# Altium PCB LightLink_V2.1_FINAL_LAYOUT.PcbDoc (part 2 of 3) (continued)
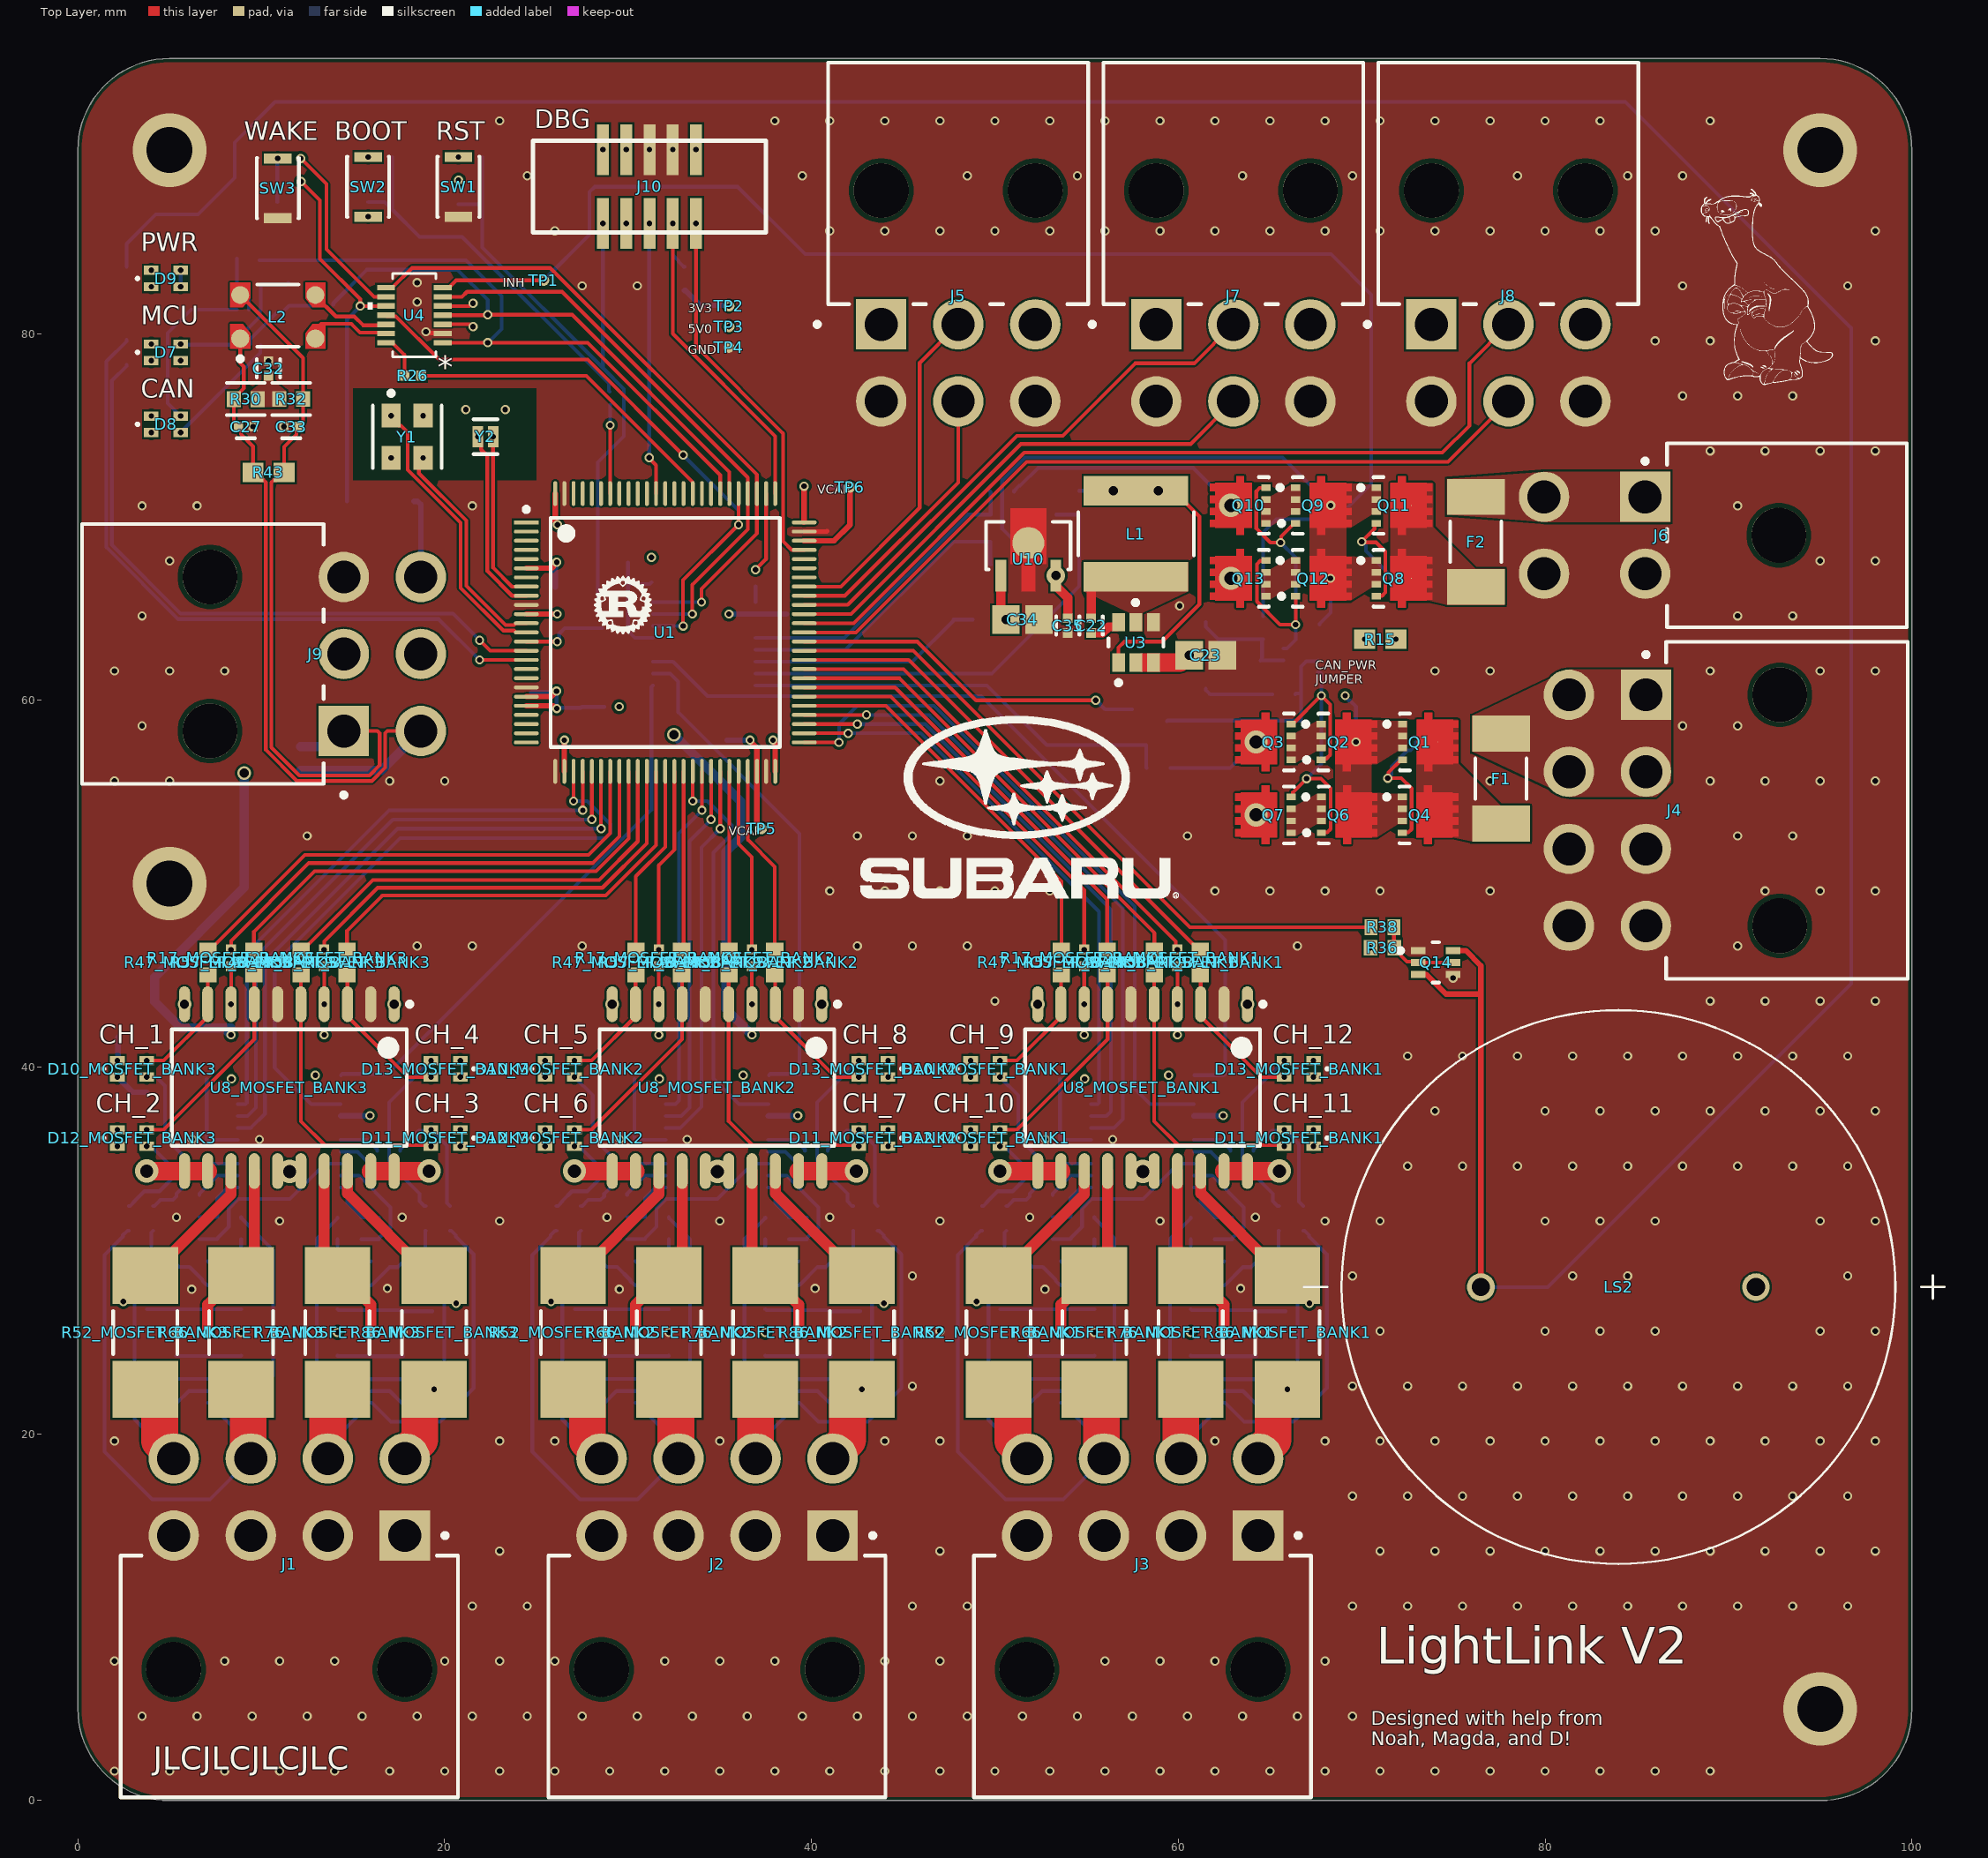
[diagram p0: Top Layer view]
## Nets (pads, with @x,y where several pads share a name; then routed paths per layer and width w, separated by ;. In a path a pad name is that pad's centre, name@x,y a point inside that pad or via, vN(x,y) a via of type N, cw(c..) or ccw(c..) an arc to the next point about the centre after c; other vN are vias at no path point)
3V3: C2.1 C3.2 C4.2 C5.2 C6.2 C10.2 C12.1 C20_MOSFET_BANK1.1 C20_MOSFET_BANK2.1 C20_MOSFET_BANK3.1 C24.1 C25.1 C26.2 C29.2 C39.1 C42.2 D7.2 D7.3 D9.2 D9.3 FB1.1 J10.1 L1.2 Q16.3 Q16.6 R10.1 R23_MOSFET_BANK1.1 R23_MOSFET_BANK2.1 R23_MOSFET_BANK3.1 R27.2 R36.2 R37.2 R41_MOSFET_BANK1.2 R41_MOSFET_BANK2.2 R41_MOSFET_BANK3.2 R45.1 R62.1 R84_MOSFET_BANK1.2 R84_MOSFET_BANK2.2 R84_MOSFET_BANK3.2 R85_MOSFET_BANK1.2 R85_MOSFET_BANK2.2 R85_MOSFET_BANK3.2 R105.2 SW2.2 TP2.1 U1.6 U1.11 U1.27 U1.50 U1.75 U1.100 U2.2 U3.1 U4.5 U9_MOSFET_BANK1.2 U9_MOSFET_BANK2.2 U9_MOSFET_BANK3.2 | length 157.8
  Top Layer w0.2: U4.5@19.888,81.5 21.341,81.5 21.491,81.65 v1(21.545,81.65) ; U3.1@56.742,62.055 56.742,62.867 57.075,63.2 59.125,63.2 61.15,65.225 61.15,70.022 59.743,71.429 v4(58.917,71.429)
  Top Layer w0.3: U1.11@24.45,64.7 v1@25.9,64.7 ; U1.6@24.45,67.2 25.83,67.2 26.106,67.476 v1(26.106,67.525) ; U1.100@26.025,71.275 26.025,69.754 26.15,69.629 v1(26.15,69.575) ; U1.27@26.525,56.125 v1(26.525,57.825) ; v1(37.9,57.825) 37.9,57.771 38.025,57.646 U1.50@38.025,56.125 ; U1.75@39.6,69.7 v1(39.6,71.675)
  GND w0.3: v1(62.45,37.35) 62.45,38.475 v1(70.475,46.5)
  GND w0.5: v1(8.35,41.75) 8.375,41.725 v1(8.375,39.35) 12.75,39.35 v1(12.95,39.55) ; v1(13.43,41.75) 12.95,41.27 v1(12.95,39.55) ; v1(15.925,37.35) 13.725,39.55 v1(12.95,39.55) ; v1(31.675,41.75) 31.675,39.375 v1(31.7,39.35) 36.075,39.35 v1(36.275,39.55) ; v1(36.755,41.75) 36.275,41.27 v1(36.275,39.55) ; v1(54.875,41.75) 54.875,39.375 v1(54.9,39.35) ; v1(59.955,41.75) 59.475,41.27 v1(59.475,39.55) ; v1(62.45,37.35) 60.25,39.55 v1(59.475,39.55) ; v1(36.275,39.55) 37.05,39.55 v1(39.25,37.35) 52.9,37.35 v1(54.9,39.35) ; v1(54.9,39.35) 59.275,39.35 v1(59.475,39.55)
  Bottom Layer w0.2: v1(5.6,79.425) 5.637,79.387 8.638,79.387 Q16.3@8.675,79.35 8.725,79.4 8.725,79.725 9.925,80.925 9.925,81.25 Q16.6@9.975,81.3 R37.2@9.975,82.675 11.375,82.675 R27.2@11.475,82.775 ; v1(5.6,82.55) v1(5.6,83.45) ; U9_MOSFET_BANK3.2@14.325,37.325 U9_MOSFET_BANK3.2@14.335,37.335 ; C20_MOSFET_BANK3.1@15.91,37.335 v1(15.925,37.35) ; R105.2@54.6,71.425 54.604,71.429 v4(56.467,71.429)
  Bottom Layer w0.3: U9_MOSFET_BANK3.2@14.335,37.335 C20_MOSFET_BANK3.1@15.91,37.335 ; C2.1@25.175,64.7 v1(26.135,64.7) ; C39.1@26.027,66.175 26.027,67.396 26.106,67.475 v1(26.106,67.525) ; R10.1@33.075,82.35 33.125,82.35 33.937,81.538 35.462,81.538 v1(35.5,81.5) ; v1(35.5,64.7) U2.2@36.95,64.7 C12.1@38.65,64.7 ; U9_MOSFET_BANK2.2@37.65,37.325 37.66,37.335 39.235,37.335 v1(39.25,37.35) ; v1(39.6,71.675) C5.2@39.625,71.65 ; U9_MOSFET_BANK1.2@60.85,37.325 60.86,37.335 62.435,37.335 v1(62.45,37.35)
  Bottom Layer w0.5: R84_MOSFET_BANK3.2@8.138,41.962 v1(8.35,41.75) ; R84_MOSFET_BANK3.2@8.35,42.125 5.619,42.125 4.175,43.569 4.175,44.9 9.075,49.8 v3(9.075,56.025) ; v3(32.5,58.125) 36.125,54.5 36.125,52.525 35.325,51.725 35.325,43.18 v1(36.755,41.75)
  other v1: 29.51,59.65 31.275,67.79 5.6,78.525 15.825,86.375 20.75,88.37 33.705,90.03
5V: C28.2 C34.2 R50.2 TP3.1 U4.3 U10.1 | length 67.5
  Top Layer w0.2: U4.3@19.888,80.5 21.366,80.5 21.491,80.375 v1(21.545,80.375)
  Top Layer w0.5: U10.1@50.325,66.8 50.325,64.675 v4(50.6,64.4)
  PWR w0.5: v1(21.545,80.375) 39.125,80.375 41.097,78.403 41.097,75.269 43.291,73.074 60.638,73.074 61.317,72.396 61.317,64.991 60.726,64.4 v4(50.6,64.4)
  other v1: 35.5,80.375
12V_IN: F2.1 J6.1 J6.3
12V_INH: Q15.2 R63.1 U1.62 | length 19.4
  Top Layer w0.2: U1.62@39.6,63.2 45.775,63.2 48.975,60 v1(55.5,60)
  Bottom Layer w0.2: v1(55.5,60) 55.55,60 55.775,59.775 55.775,59.725 56,59.5 Q15.2@57.475,59.5
12V_MOSFET: Q5.3 Q9.4 Q10.4 Q12.4 Q13.4 R5.2 | length 19
  Top Layer w0.2: Q13.4@64.775,67.625 64.75,67.6 64.462,67.6 64.286,67.424 64.286,65.389 65.55,64.125 v1(66.4,64.125) ; Q10.4@64.775,71.6 64.75,71.575 64.432,71.575 64.257,71.399 64.257,69.368 65.025,68.6 v1(65.575,68.6) 65.613,68.638 65.613,68.938 66.325,69.65 Q9.4@66.4,69.65 ; v1(66.4,64.125) Q12.4@66.4,65.675
  Bottom Layer w0.2: v1(65.575,68.6) 66.4,67.775 v1(66.4,64.125) 66.4,63.3 65.925,62.825 Q5.3@65.725,62.825
12V_SENSE: R9.2 R14.2 U2.4 | length 16.9
  Bottom Layer w0.2: U2.4@36.95,63.4 41.8,63.4 48.525,70.125 R14.2@49.775,70.125 49.775,71.35 R9.2@49.75,71.375
+12: J5.1 J5.3 J7.1 J7.3 J8.1 J8.3 Q10.5-6-7-8 Q13.5-6-7-8 R9.1 | length 13.2
  Bottom Layer w0.2: R9.1@51.05,71.375 51.05,71.425 51.325,71.7 51.375,71.7 52.35,72.675 60.815,72.675 v2(62.865,70.625)
  other v2: 62.865,66.65
ADC_MISO_MOSFET_BANK1: U1.53 U9_MOSFET_BANK1.15 | length 33.1
  Top Layer w0.2: U1.53@39.6,58.7 v1(42.5,58.7)
  Bottom Layer w0.2: v1(42.5,58.7) 46.2,58.7 56.325,48.575 56.325,37.575 56.075,37.325 U9_MOSFET_BANK1.15@55.25,37.325
ADC_MISO_MOSFET_BANK2: U1.43 U9_MOSFET_BANK2.15 | length 20.3
  Top Layer w0.2: v1(34.525,53.5) U1.43@34.525,56.125
  Bottom Layer w0.2: U9_MOSFET_BANK2.15@32.05,37.325 32.9,37.325 33.35,37.775 33.35,52.325 v1(34.525,53.5)
ADC_MISO_MOSFET_BANK3: U1.30 U9_MOSFET_BANK3.15 | length 33.5
  Top Layer w0.2: v1(28.025,53.5) U1.30@28.025,56.125
  Bottom Layer w0.2: U9_MOSFET_BANK3.15@8.725,37.325 9.25,37.325 9.7,37.775 9.7,46.025 17.175,53.5 v1(28.025,53.5)
ADC_MOSI_MOSFET_BANK1: U1.54 U9_MOSFET_BANK1.14 | length 35.2
  Top Layer w0.2: U1.54@39.6,59.2 v1(43,59.2)
  Bottom Layer w0.2: v1(43,59.2) 46.425,59.2 56.975,48.65 56.975,37.15 56.5,36.675 U9_MOSFET_BANK1.14@55.25,36.675
ADC_MOSI_MOSFET_BANK2: U1.44 U9_MOSFET_BANK2.14 | length 21.2
  Top Layer w0.2: v1(35.025,53) U1.44@35.025,56.125
  Bottom Layer w0.2: U9_MOSFET_BANK2.14@32.05,36.675 32.85,36.675 34,37.825 34,51.975 v1(35.025,53)
ADC_MOSI_MOSFET_BANK3: U1.31 U9_MOSFET_BANK3.14 | length 34.6
  Top Layer w0.2: v1(28.525,53) U1.31@28.525,56.125
  Bottom Layer w0.2: U9_MOSFET_BANK3.14@8.725,36.675 9.425,36.675 10.2,37.45 10.2,45.775 17.425,53 v1(28.525,53)
ADC_nCS_MOSFET_BANK1: U1.51 U9_MOSFET_BANK1.1 | length 37.5
  Top Layer w0.2: U1.51@39.6,57.7 v1(41.5,57.7)
  Bottom Layer w0.2: v1(41.5,57.7) 41.5,58.7 42.5,59.7 46.675,59.7 57.625,48.75 57.625,38.825 58.475,37.975 U9_MOSFET_BANK1.1@60.85,37.975
ADC_nCS_MOSFET_BANK2: U1.41 U9_MOSFET_BANK2.1 | length 22.1
  Top Layer w0.2: v1(33.525,54.5) U1.41@33.525,56.125
  Bottom Layer w0.2: v1(33.525,54.5) 34.325,54.5 35.65,53.175 35.65,52.7 34.65,51.7 34.65,39.375 36.05,37.975 U9_MOSFET_BANK2.1@37.65,37.975
ADC_nCS_MOSFET_BANK3: U1.28 U9_MOSFET_BANK3.1 | length 36
  Top Layer w0.2: v1(27.025,54.5) U1.28@27.025,56.125
  Bottom Layer w0.2: U9_MOSFET_BANK3.1@14.325,37.975 12.725,37.975 10.725,39.975 10.725,45.625 17.575,52.475 28.75,52.475 29.05,52.775 29.05,53.225 27.775,54.5 v1(27.025,54.5)
ADC_SCLK_MOSFET_BANK1: U1.52 U9_MOSFET_BANK1.16 | length 31
  Top Layer w0.2: U1.52@39.6,58.2 v1(42,58.2)
  Bottom Layer w0.2: v1(42,58.2) 45.95,58.2 55.675,48.475 55.675,38.044 55.606,37.975 U9_MOSFET_BANK1.16@55.25,37.975
ADC_SCLK_MOSFET_BANK2: U1.42 U9_MOSFET_BANK2.16 | length 19.3
  Top Layer w0.2: v1(34.025,54) U1.42@34.025,56.125
  Bottom Layer w0.2: U9_MOSFET_BANK2.16@32.05,37.975 32.583,37.975 32.775,38.167 32.775,52.75 v1(34.025,54)
ADC_SCLK_MOSFET_BANK3: U1.29 U9_MOSFET_BANK3.16 | length 32.4
  Top Layer w0.2: v1(27.525,54) U1.29@27.525,56.125
  Bottom Layer w0.2: U9_MOSFET_BANK3.16@8.725,37.975 9.14,37.975 9.209,38.044 9.209,46.234 16.975,54 v1(27.525,54)
ADDR_1: J5.2 U1.68 | length 19
  Top Layer w0.2: U1.68@39.6,66.2 41.6,66.2 45.9,70.5 45.9,78.4 J5.2@48,80.5
ADDR_2: J5.5 U1.67 | length 15.4
  Top Layer w0.2: U1.67@39.6,65.7 41.825,65.7 48,71.875 J5.5@48,76.3
ADDR_3: J7.2 U1.66 | length 29.7
  Top Layer w0.2: U1.66@39.6,65.2 41.975,65.2 51.2,74.425 53.7,74.425 57.65,78.375 60.875,78.375 J7.2@63,80.5
ADDR_4: J7.5 U1.65 | length 28.2
  Top Layer w0.2: U1.65@39.6,64.7 42.15,64.7 51.425,73.975 60.675,73.975 J7.5@63,76.3
ADDR_5: J8.2 U1.64 | length 47.1
  Top Layer w0.2: U1.64@39.6,64.2 42.3,64.2 51.6,73.5 74.4,73.5 75.875,74.975 75.875,78.375 J8.2@78,80.5
ADDR_6: J8.5 U1.63 | length 43.6
  Top Layer w0.2: U1.63@39.6,63.7 42.425,63.7 51.725,73 74.7,73 J8.5@78,76.3
BOOT: C26.1 R19.1 R20.2 R25.2 | length 20.6
  Bottom Layer w0.2: C26.1@15.825,87.175 16.725,87.175 17.125,86.775 ; R20.2@17.125,88.325 R19.1@17.125,89.625 ; R20.2@17.125,88.375 17.125,86.775 ; R25.2@29,76.825 28.942,76.883 28.942,77.283 20.95,85.275 18.625,85.275 17.125,86.775
BUZZ: R38.1 U1.61 | length 37.1
  Top Layer w0.2: U1.61@39.6,62.7 45.55,62.7 60.625,47.625 R38.1@70.5,47.625
BUZZ_NEG: LS2.N Q14.3 Q14.6 R40.1 | length 190.8
  Top Layer w0.3: Q14.3@73.086,45.05 73.525,45.05 74.6,43.975 76.5,43.975 ; Q14.6@74.986,46.35 75.675,46.35 76.5,45.525 76.5,43.975 ; LS2.N@76.5,28 76.5,43.975
  Bottom Layer w0.2: R40.1@2.65,83.65 2.65,84.9 4.25,86.5 6.55,86.5 8.55,88.5 8.55,90.425 10.75,92.625 84.375,92.625 96.7,80.3 96.7,44.55 80.15,28 LS2.N@76.5,28
CAN1_RX: R96.1 U1.81 U4.4 | length 31.1
  Top Layer w0.2: U4.4@19.888,81 19.89,81.003 22.328,81.003 v1(22.35,81.025) 26.95,81.025 35.525,72.45 U1.81@35.525,71.275
  Bottom Layer w0.2: R96.1@13.925,81.575 13.925,81.65 15.75,83.475 20.7,83.475 22.35,81.825 v1(22.35,81.025)
CAN1_TX: R102.1 U1.82 U4.1 | length 36
  Top Layer w0.2: U4.1@19.888,79.5 v1(22.35,79.5) 27.8,79.5 35.025,72.275 U1.82@35.025,71.275
  Bottom Layer w0.2: R102.1@9.9,84 21.15,84 23.1,82.05 23.1,80.25 v1(22.35,79.5)
CAN_INH: R2.1 TP1.1 U4.7 | length 78.6
  Top Layer w0.2: U4.7@19.888,82.501 20.224,82.501 20.277,82.553 20.277,82.559 20.618,82.9 v1(25.4,82.9)
  Bottom Layer w0.2: v1(25.4,82.9) 27.9,85.4 27.9,87.725 28.175,88 35.975,88 39.65,84.325 68.325,84.325 70.525,82.125 70.525,71.8 68.6,69.875 65.35,69.875 64.625,69.15 R2.1@64.625,64.575
CAN_N: C33.1 D4.1 J9.1 L2.4 R32.1 R43.1 | length 40.1
  Top Layer w0.2: L2.4@8.85,82.1 12.281,78.669 R32.1@12.281,76.429 12.281,75.176 11.918,74.813 11.918,74.493 11.25,73.825 R43.1@11.25,72.425 10.825,72 10.668,72 10.551,71.883 10.551,57.424 12.075,55.9 15.9,55.9 16.449,56.449 16.449,58.208 16.332,58.325 J9.1@14.5,58.325
  Bottom Layer w0.5: D4.1@12.15,57.475 13.65,57.475 J9.1@14.5,58.325
CAN_nCS: R26.2 U4.14 | length 2.4
  Top Layer w0.2: U4.14@16.802,79.5 17.138,79.5 17.191,79.447 17.806,78.832 R26.2@17.806,77.7
CAN_P: C27.2 D4.2 J9.4 L2.1 R30.2 R43.2 | length 42.4
  Top Layer w0.2: L2.1@8.85,79.725 8.85,78.384 9.046,78.187 9.046,77.023 8.502,76.478 R30.2@8.502,76.425 8.502,75.176 8.886,74.792 8.886,74.514 9.55,73.85 R43.2@9.55,72.425 9.975,72 10.132,72 10.249,71.883 10.249,57.299 11.95,55.598 16.025,55.598 16.751,56.324 16.751,58.208 16.868,58.325 J9.4@18.7,58.325
  Bottom Layer w0.5: D4.2@12.15,56.175 16.55,56.175 J9.4@18.7,58.325
CAN_PWR: D6.2 J9.6 R15.1 | length 66.5
  PWR w0.5: J9.6@18.7,66.725 20.8,64.625 20.8,60.325 25.85,55.275 43.65,55.275 51.702,63.327 v1(70.163,63.327)
  Bottom Layer w0.3: D6.2@18.325,70.85 18.527,70.85 18.7,70.677 J9.6@18.7,66.725
DIAG_ADC_nCS: R28.1 U2.1 | length 0.9
  Bottom Layer w0.2: U2.1@36.95,65.35 R28.1@36.95,66.225
G_LED: R34.1 U1.15 | length 35.1
  Top Layer w0.2: v1(21.9,63.275) 22.475,62.7 U1.15@24.45,62.7
  Bottom Layer w0.2: R34.1@2.65,78.3 2.65,78.225 1.85,77.425 1.85,68.475 5.6,64.725 20.45,64.725 v1(21.9,63.275)
GND: C1.2 C2.2 C3.1 C4.1 C5.1 C6.1 C7.2 C8.1 C9.1 C10.1 C11.1 C12.2 C13.2 C14.1 C15.1 C16_MOSFET_BANK1.2 C16_MOSFET_BANK2.2 C16_MOSFET_BANK3.2 C17.2 C18.2 C19.2 C20_MOSFET_BANK1.2 C20_MOSFET_BANK2.2 C20_MOSFET_BANK3.2 C21_MOSFET_BANK1.2 C21_MOSFET_BANK2.2 C21_MOSFET_BANK3.2 C23.1 C24.2 C25.2 C27.1 C28.1 C29.1 C30.1 C31.1 C32.2 C33.2 C34.1 C35.1 C36.1 C37.1 C38.1 C39.2 C40.2 C41.2 C42.1 D4.3 J1.1 J1.2 J1.3 J1.4 J2.1 J2.2 J2.3 J2.4 J3.1 J3.2 J3.3 J3.4 J4.3 J4.4 J4.7 J4.8 J5.4 J5.6 J6.2 J6.4 J7.4 J7.6 J8.4 J8.6 J9.3 J10.3 J10.5 Q5.1 Q5.4 Q14.1 Q14.4 Q15.1 R3.2 R4.2 R7.2 R12.2 R13.1 R14.1 R16.1 R18_MOSFET_BANK1.1 R18_MOSFET_BANK2.1 R18_MOSFET_BANK3.1 R20.1 R22_MOSFET_BANK1.1 R22_MOSFET_BANK2.1 R22_MOSFET_BANK3.1 R33.1 R35.1 R44.2 R46_MOSFET_BANK1.1 R46_MOSFET_BANK2.1 R46_MOSFET_BANK3.1 R51.2 R59_MOSFET_BANK1.1 R59_MOSFET_BANK2.1 R59_MOSFET_BANK3.1 R60_MOSFET_BANK1.1 R60_MOSFET_BANK2.1 R60_MOSFET_BANK3.1 R61.1 R63.2 R65_MOSFET_BANK1.1 R65_MOSFET_BANK2.1 R65_MOSFET_BANK3.1 R71_MOSFET_BANK1.1 R71_MOSFET_BANK2.1 R71_MOSFET_BANK3.1 R72_MOSFET_BANK1.1 R72_MOSFET_BANK2.1 R72_MOSFET_BANK3.1 R73_MOSFET_BANK1.1 R73_MOSFET_BANK2.1 R73_MOSFET_BANK3.1 R75_MOSFET_BANK1.1 R75_MOSFET_BANK2.1 R75_MOSFET_BANK3.1 R81_MOSFET_BANK1.1 R81_MOSFET_BANK2.1 R81_MOSFET_BANK3.1 R82_MOSFET_BANK1.1 R82_MOSFET_BANK2.1 R82_MOSFET_BANK3.1 R91_MOSFET_BANK1.1 R91_MOSFET_BANK2.1 R91_MOSFET_BANK3.1 R92_MOSFET_BANK1.1 R92_MOSFET_BANK2.1 R92_MOSFET_BANK3.1 R93_MOSFET_BANK1.2 R93_MOSFET_BANK2.2 R93_MOSFET_BANK3.2 R94_MOSFET_BANK1.2 R94_MOSFET_BANK2.2 R94_MOSFET_BANK3.2 R95_MOSFET_BANK1.1 R95_MOSFET_BANK2.1 R95_MOSFET_BANK3.1 R99_MOSFET_BANK1.2 R99_MOSFET_BANK2.2 R99_MOSFET_BANK3.2 R100_MOSFET_BANK1.2 R100_MOSFET_BANK2.2 R100_MOSFET_BANK3.2 R106.1 SW1.2 SW3.1 TP4.1 U1.10 U1.19 U1.26 U1.49 U1.74 U1.99 U2.3 U2.12 U3.4 U4.2 U7_MOSFET_BANK1.11 U7_MOSFET_BANK2.11 U7_MOSFET_BANK3.11 U8_MOSFET_BANK1.2 U8_MOSFET_BANK1.6 U8_MOSFET_BANK2.2 U8_MOSFET_BANK2.6 U8_MOSFET_BANK3.2 U8_MOSFET_BANK3.6 U9_MOSFET_BANK1.3 U9_MOSFET_BANK1.12 U9_MOSFET_BANK2.3 U9_MOSFET_BANK2.12 U9_MOSFET_BANK3.3 U9_MOSFET_BANK3.12 U10.2 Y1.2 Y1.4 | length 13.2
  Top Layer w0.254: v1(18.975,80.1) 19.042,80.1 19.116,80.025 19.862,80.025 U4.2@19.888,80 ; U1.74@39.6,69.2 40.825,69.2 40.85,69.225
  GND w0.5: 14,73 14.217,73.217 v1(17.075,73.217) ; 18.781,77.7 18.825,77.656 v1(18.825,75.517) ; 21,78 21.15,77.85 v1(21.15,75.85) ; v1(23.3,75.85) 23.3,78.3 24,79
  other v1: 2,1.6 5,1.6 8,1.6 11,1.6 14,1.6 17,1.6 20,1.6 23,1.6 26,1.6 29,1.6 32,1.6 35,1.6 38,1.6 41,1.6 44,1.6 47,1.6 50,1.6 53,1.6 56,1.6 59,1.6 62,1.6 65,1.6 68,1.6 71,1.6 74,1.6 77,1.6 80,1.6 83,1.6 86,1.6 89,1.6 3.5,4.6 6.5,4.6 9.5,4.6 12.5,4.6 15.5,4.6 18.5,4.6 21.5,4.6 24.5,4.6 27.5,4.6 30.5,4.6 33.5,4.6 36.5,4.6 39.5,4.6 42.5,4.6 45.5,4.6 48.5,4.6 51.5,4.6 54.5,4.6 57.5,4.6 60.5,4.6 63.5,4.6 66.5,4.6 69.5,4.6 2,7.6 8,7.6 11,7.6 14,7.6 20,7.6 23,7.6 26,7.6 32,7.6 35,7.6 38,7.6 44,7.6 47,7.6 56,7.6 59,7.6 62,7.6 68,7.6 21.5,10.6 24.5,10.6 45.5,10.6 48.5,10.6 69.5,10.6 72.5,10.6 75.5,10.6 78.5,10.6 81.5,10.6 84.5,10.6 87.5,10.6 90.5,10.6 93.5,10.6 96.5,10.6 23,13.6 47,13.6 71,13.6 74,13.6 77,13.6 80,13.6 83,13.6 86,13.6 89,13.6 92,13.6 95,13.6 98,13.6 69.5,16.6 72.5,16.6 75.5,16.6 78.5,16.6 81.5,16.6 84.5,16.6 87.5,16.6 90.5,16.6 93.5,16.6 96.5,16.6 2,19.6 23,19.6 26,19.6 35,19.6 44,19.6 47,19.6 62,19.6 68,19.6 71,19.6 74,19.6 77,19.6 80,19.6 83,19.6 86,19.6 89,19.6 92,19.6 95,19.6 98,19.6 45.5,22.6 69.5,22.6 72.5,22.6 75.5,22.6 78.5,22.6 81.5,22.6 84.5,22.6 87.5,22.6 90.5,22.6 93.5,22.6 96.5,22.6 5.35,25.536 8.9,25.525 17.725,25.525 28.675,25.536 32.225,25.525 41.05,25.525 51.875,25.536 55.425,25.525 64.25,25.525 23,25.6 47,25.6 71,25.6 80,25.6 83,25.6 86,25.6 95,25.6 98,25.6 6.2,27.875 29.525,27.875 52.725,27.875 16.875,27.925 40.2,27.925 63.4,27.925 45.5,28.6 69.5,28.6 81.5,28.6 84.5,28.6 96.5,28.6 11,31.6 23,31.6 35,31.6 47,31.6 59,31.6 68,31.6 71,31.6 80,31.6 83,31.6 86,31.6 95,31.6 98,31.6 5.375,31.81 17.675,31.8 28.85,31.81 41,31.8 51.9,31.81 64.2,31.8 72.5,34.6 75.5,34.6 78.5,34.6 81.5,34.6 84.5,34.6 87.5,34.6 90.5,34.6 93.5,34.6 96.5,34.6 6.225,36.05 9.9,36.05 29.55,36.05 33.225,36.05 52.75,36.05 56.425,36.05 74,37.6 80,37.6 83,37.6 86,37.6 89,37.6 92,37.6 95,37.6 98,37.6 72.5,40.6 75.5,40.6 78.5,40.6 81.5,40.6 84.5,40.6 87.5,40.6 90.5,40.6 93.5,40.6 96.5,40.6 50,43.6 89,43.6 92,43.6 95,43.6 98,43.6 74.986,44.85 18.5,46.6 21.5,46.6 27.5,46.6 42.5,46.6 45.5,46.6 48.5,46.6 66.5,46.6 90.5,46.6 41,49.6 44,49.6 47,49.6 50,49.6 53,49.6 62,49.6 65,49.6 68,49.6 71,49.6 77,49.6 92,49.6 95,49.6 98,49.6 12.5,52.6 42.5,52.6 45.5,52.6 48.5,52.6 60.5,52.6 90.5,52.6 93.5,52.6 2,55.6 5,55.6 17,55.6 20,55.6 47,55.6 77,55.6 89,55.6 92,55.6 95,55.6 98,55.6 3.5,58.6 87.5,58.6 90.5,58.6 2,61.6 5,61.6 8,61.6 74,61.6 77,61.6 89,61.6 95,61.6 98,61.6 3.5,64.6 90.5,64.6 93.5,64.6 60.075,65.15 5,67.6 95,67.6 98,67.6 3.5,70.6 6.5,70.6 21.5,70.6 90.5,70.6 89,73.6 92,73.6 95,73.6 98,73.6 9.553,74.925 11.23,74.925 87.5,76.6 90.5,76.6 93.5,76.6 10.39,78.5 86,79.6 89,79.6 98,79.6 18.5,81.725 27.5,82.6 30.5,82.6 87.5,82.6 96.5,82.6 18.5,82.775 26,85.6 41,85.6 44,85.6 47,85.6 50,85.6 53,85.6 56,85.6 59,85.6 62,85.6 65,85.6 68,85.6 71,85.6 74,85.6 77,85.6 80,85.6 83,85.6 86,85.6 98,85.6 24.5,88.6 39.5,88.6 48.5,88.6 54.5,88.6 63.5,88.6 69.5,88.6 78.5,88.6 84.5,88.6 87.5,88.6 31.165,90.03 32.435,90.03 23,91.6 38,91.6 41,91.6 44,91.6 47,91.6 50,91.6 53,91.6 56,91.6 59,91.6 62,91.6 65,91.6 68,91.6 71,91.6 74,91.6 77,91.6 80,91.6 83,91.6 89,91.6
  other v5: 95,5 5,50 5,90 95,90
INT_3V3_SENSE: R105.1 R106.2 U2.7 | length 24.8
  Bottom Layer w0.2: U2.7@36.95,61.45 49.825,61.45 54.6,66.225 R105.1@54.6,70.125 R106.2@53.35,70.125
INT_5V_SENSE: R50.1 R51.1 U2.6 | length 12.8
  Bottom Layer w0.2: U2.6@36.95,62.1 45.5,62.1 47.75,64.35 R51.1@47.75,64.4 R50.1@48.8,64.4
M1_I_SENSE_MOSFET_BANK1: R55_MOSFET_BANK1.1 R60_MOSFET_BANK1.2 U9_MOSFET_BANK1.6 | length 10
  Bottom Layer w0.2: R60_MOSFET_BANK1.2@53.15,30.61 R55_MOSFET_BANK1.1@54.125,30.61 54.125,30.66 54.75,31.285 54.75,32.273 55.277,32.8 58.075,32.8 60,34.725 U9_MOSFET_BANK1.6@60.85,34.725
M1_I_SENSE_MOSFET_BANK2: R55_MOSFET_BANK2.1 R60_MOSFET_BANK2.2 U9_MOSFET_BANK2.6 | length 10
  Bottom Layer w0.2: R60_MOSFET_BANK2.2@29.95,30.61 R55_MOSFET_BANK2.1@30.925,30.61 30.925,30.66 31.55,31.285 31.55,32.273 32.077,32.8 34.875,32.8 36.8,34.725 U9_MOSFET_BANK2.6@37.65,34.725
M1_I_SENSE_MOSFET_BANK3: R55_MOSFET_BANK3.1 R60_MOSFET_BANK3.2 U9_MOSFET_BANK3.6 | length 10
  Bottom Layer w0.2: R60_MOSFET_BANK3.2@6.625,30.61 R55_MOSFET_BANK3.1@7.6,30.61 7.6,30.66 8.225,31.285 8.225,32.273 8.752,32.8 11.55,32.8 13.475,34.725 U9_MOSFET_BANK3.6@14.325,34.725
M1_OUT_MOSFET_BANK1: J3.8 R52_MOSFET_BANK1.2 R53_MOSFET_BANK1.2 R54_MOSFET_BANK1.2 | length 18.3
  Top Layer w2: R52_MOSFET_BANK1.2@50.2,22.425 50.435,22.425 50.985,21.875 50.985,19.618 51.75,18.853 J3.8@51.75,18.65
  Bottom Layer w0.2: R54_MOSFET_BANK1.2@50.625,31.075 50.525,30.975 50.525,29.26 50.3,29.035 50.25,29.035 49.65,28.435 49.65,20.75 J3.8@51.75,18.65
M1_OUT_MOSFET_BANK2: J2.8 R52_MOSFET_BANK2.2 R53_MOSFET_BANK2.2 R54_MOSFET_BANK2.2 | length 18.3
  Top Layer w2: R52_MOSFET_BANK2.2@27,22.425 27.235,22.425 27.785,21.875 27.785,19.618 28.55,18.853 J2.8@28.55,18.65
  Bottom Layer w0.2: R54_MOSFET_BANK2.2@27.425,31.075 27.325,30.975 27.325,29.26 27.1,29.035 27.05,29.035 26.414,28.399 26.414,20.786 J2.8@28.55,18.65
M1_OUT_MOSFET_BANK3: J1.8 R52_MOSFET_BANK3.2 R53_MOSFET_BANK3.2 R54_MOSFET_BANK3.2 | length 18.3
  Top Layer w2: R52_MOSFET_BANK3.2@3.675,22.425 3.91,22.425 4.46,21.875 4.46,19.618 5.225,18.853 J1.8@5.225,18.65
  Bottom Layer w0.2: R54_MOSFET_BANK3.2@4.1,31.075 4,30.975 4,29.26 3.775,29.035 3.725,29.035 3.089,28.399 3.089,20.786 J1.8@5.225,18.65
M1_PRE_SHUNT_MOSFET_BANK1: R52_MOSFET_BANK1.1 R56_MOSFET_BANK1.2 U8_MOSFET_BANK1.13 | length 7.8
  Top Layer w0.6: R52_MOSFET_BANK1.1@50.2,28.625 50.435,28.625 54.875,33.065 U8_MOSFET_BANK1.13@54.875,34.325
  other v1: 49,27.21
M1_PRE_SHUNT_MOSFET_BANK2: R52_MOSFET_BANK2.1 R56_MOSFET_BANK2.2 U8_MOSFET_BANK2.13 | length 7.8
  Top Layer w0.6: R52_MOSFET_BANK2.1@27,28.625 27.235,28.625 31.675,33.065 U8_MOSFET_BANK2.13@31.675,34.325
  other v1: 25.8,27.21
M1_PRE_SHUNT_MOSFET_BANK3: R52_MOSFET_BANK3.1 R56_MOSFET_BANK3.2 U8_MOSFET_BANK3.13 | length 7.8
  Top Layer w0.6: R52_MOSFET_BANK3.1@3.675,28.625 3.91,28.625 8.35,33.065 U8_MOSFET_BANK3.13@8.35,34.325
  other v1: 2.475,27.21
M1_TRIG: R47_MOSFET_BANK3.2 U1.32 | length 27.9
  Top Layer w0.2: R47_MOSFET_BANK3.2@7.1,46.375 7.175,46.375 12.375,51.575 27.85,51.575 29.025,52.75 U1.32@29.025,56.125
M1_TRIG_MOSFET_BANK1: D10_MOSFET_BANK1.3 R47_MOSFET_BANK1.1 U8_MOSFET_BANK1.9 | length 6.6
  Top Layer w0.2: v1(50.275,40.35) v1(50.275,40.35) 51.206,40.351 53.605,42.75 U8_MOSFET_BANK1.9@53.605,43.425 53.605,45.005 R47_MOSFET_BANK1.1@53.625,45.025
M1_TRIG_MOSFET_BANK2: D10_MOSFET_BANK2.3 R47_MOSFET_BANK2.1 U8_MOSFET_BANK2.9 | length 6.6
  Top Layer w0.2: v1(27.075,40.35) v1(27.075,40.35) 28.006,40.351 30.405,42.75 U8_MOSFET_BANK2.9@30.405,43.425 30.405,45.005 R47_MOSFET_BANK2.1@30.425,45.025
M1_TRIG_MOSFET_BANK3: D10_MOSFET_BANK3.3 R47_MOSFET_BANK3.1 U8_MOSFET_BANK3.9 | length 6.6
  Top Layer w0.2: v1(3.75,40.35) v1(3.75,40.35) 4.681,40.351 7.08,42.75 U8_MOSFET_BANK3.9@7.08,43.425 7.08,45.005 R47_MOSFET_BANK3.1@7.1,45.025
M1_V_SENSE_MOSFET_BANK1: D10_MOSFET_BANK1.2 R54_MOSFET_BANK1.1 R101_MOSFET_BANK1.1 | length 9.2
  Bottom Layer w0.2: v1(50.275,39.45) 51.275,38.45 51.275,36.15 52.489,34.936 52.489,33.684 51.9,33.095 R101_MOSFET_BANK1.1@51.9,33.02 51.9,32.95 51.7,32.75 51.025,32.75 50.7,32.425 R54_MOSFET_BANK1.1@50.625,32.425
M1_V_SENSE_MOSFET_BANK2: D10_MOSFET_BANK2.2 R54_MOSFET_BANK2.1 R101_MOSFET_BANK2.1 | length 9.2
  Bottom Layer w0.2: v1(27.075,39.45) 28.075,38.45 28.075,36.15 29.289,34.936 29.289,33.684 28.7,33.095 R101_MOSFET_BANK2.1@28.7,33.02 28.7,32.95 28.5,32.75 27.825,32.75 27.5,32.425 R54_MOSFET_BANK2.1@27.425,32.425
M1_V_SENSE_MOSFET_BANK3: D10_MOSFET_BANK3.2 R54_MOSFET_BANK3.1 R101_MOSFET_BANK3.1 | length 9.5
  Bottom Layer w0.2: v1(3.75,39.45) 4.275,39.45 4.75,38.975 4.75,36.15 5.964,34.936 5.964,33.684 5.375,33.095 R101_MOSFET_BANK3.1@5.375,33.02 5.375,32.95 5.175,32.75 4.5,32.75 4.175,32.425 R54_MOSFET_BANK3.1@4.1,32.425
M2_I_SENSE_MOSFET_BANK1: R69_MOSFET_BANK1.1 R72_MOSFET_BANK1.2 U9_MOSFET_BANK1.9 | length 3.4
  Bottom Layer w0.2: R72_MOSFET_BANK1.2@53.15,31.81 R69_MOSFET_BANK1.1@54.125,31.81 54.125,32.85 54.675,33.4 54.686,33.4 54.711,33.425 U9_MOSFET_BANK1.9@55.25,33.425
M2_I_SENSE_MOSFET_BANK2: R69_MOSFET_BANK2.1 R72_MOSFET_BANK2.2 U9_MOSFET_BANK2.9 | length 3.4
  Bottom Layer w0.2: R72_MOSFET_BANK2.2@29.95,31.81 R69_MOSFET_BANK2.1@30.925,31.81 30.925,32.85 31.475,33.4 31.486,33.4 31.511,33.425 U9_MOSFET_BANK2.9@32.05,33.425
M2_I_SENSE_MOSFET_BANK3: R69_MOSFET_BANK3.1 R72_MOSFET_BANK3.2 U9_MOSFET_BANK3.9 | length 3.4
  Bottom Layer w0.2: R72_MOSFET_BANK3.2@6.625,31.81 R69_MOSFET_BANK3.1@7.6,31.81 7.6,32.85 8.15,33.4 8.161,33.4 8.186,33.425 U9_MOSFET_BANK3.9@8.725,33.425
M2_OUT_MOSFET_BANK1: J3.7 R66_MOSFET_BANK1.2 R67_MOSFET_BANK1.2 R68_MOSFET_BANK1.2 | length 30.6
  Top Layer w2: R66_MOSFET_BANK1.2@55.425,22.425 55.806,22.044 55.806,18.794 J3.7@55.95,18.65
  Bottom Layer w0.2: R68_MOSFET_BANK1.2@49.3,31.075 49.225,31.075 48.975,30.825 48.975,30.75 47.975,29.75 47.975,19.025 50.575,16.425 53.725,16.425 J3.7@55.95,18.65 55.481,19.119 55.481,19.854 53.65,21.685 R67_MOSFET_BANK1.2@53.6,21.685
M2_OUT_MOSFET_BANK2: J2.7 R66_MOSFET_BANK2.2 R67_MOSFET_BANK2.2 R68_MOSFET_BANK2.2 | length 30.6
  Top Layer w2: R66_MOSFET_BANK2.2@32.225,22.425 32.606,22.044 32.606,18.794 J2.7@32.75,18.65
  Bottom Layer w0.2: R68_MOSFET_BANK2.2@26.1,31.075 26.025,31.075 25.775,30.825 25.775,30.75 24.775,29.75 24.775,19.025 27.375,16.425 30.525,16.425 J2.7@32.75,18.65 32.281,19.119 32.281,19.854 30.45,21.685 R67_MOSFET_BANK2.2@30.4,21.685
M2_OUT_MOSFET_BANK3: J1.7 R66_MOSFET_BANK3.2 R67_MOSFET_BANK3.2 R68_MOSFET_BANK3.2 | length 30.6
  Top Layer w2: R66_MOSFET_BANK3.2@8.9,22.425 9.281,22.044 9.281,18.794 J1.7@9.425,18.65
  Bottom Layer w0.2: R68_MOSFET_BANK3.2@2.775,31.075 2.7,31.075 2.45,30.825 2.45,30.75 1.45,29.75 1.45,19.025 4.05,16.425 7.2,16.425 J1.7@9.425,18.65 8.956,19.119 8.956,19.854 7.125,21.685 R67_MOSFET_BANK3.2@7.075,21.685
M2_PRE_SHUNT_MOSFET_BANK1: R66_MOSFET_BANK1.1 R70_MOSFET_BANK1.2 U8_MOSFET_BANK1.14 | length 10
  Top Layer w0.6: v1(53.6,25.535) 53.6,27.035 55.19,28.625 R66_MOSFET_BANK1.1@55.425,28.625 56.145,29.345 U8_MOSFET_BANK1.14@56.145,34.325
M2_PRE_SHUNT_MOSFET_BANK2: R66_MOSFET_BANK2.1 R70_MOSFET_BANK2.2 U8_MOSFET_BANK2.14 | length 10
  Top Layer w0.6: v1(30.4,25.535) 30.4,27.035 31.99,28.625 R66_MOSFET_BANK2.1@32.225,28.625 32.945,29.345 U8_MOSFET_BANK2.14@32.945,34.325
M2_PRE_SHUNT_MOSFET_BANK3: R66_MOSFET_BANK3.1 R70_MOSFET_BANK3.2 U8_MOSFET_BANK3.14 | length 10
  Top Layer w0.6: v1(7.075,25.535) 7.075,27.035 8.665,28.625 R66_MOSFET_BANK3.1@8.9,28.625 9.62,29.345 U8_MOSFET_BANK3.14@9.62,34.325
M2_TRIG: R57_MOSFET_BANK3.2 U1.34 | length 27.2
  Top Layer w0.2: R57_MOSFET_BANK3.2@9.6,46.375 9.6,47.375 12.9,50.675 28.25,50.675 30.025,52.45 U1.34@30.025,56.125
M2_TRIG_MOSFET_BANK1: D12_MOSFET_BANK1.3 R57_MOSFET_BANK1.1 U8_MOSFET_BANK1.7 | length 11.4
  Top Layer w0.2: v1(50.275,36.575) 51.2,36.575 56.145,41.52 U8_MOSFET_BANK1.7@56.145,43.425 56.145,45.005 R57_MOSFET_BANK1.1@56.125,45.025
M2_TRIG_MOSFET_BANK2: D12_MOSFET_BANK2.3 R57_MOSFET_BANK2.1 U8_MOSFET_BANK2.7 | length 11.4
  Top Layer w0.2: v1(27.075,36.575) 28,36.575 32.945,41.52 U8_MOSFET_BANK2.7@32.945,43.425 32.945,45.005 R57_MOSFET_BANK2.1@32.925,45.025
M2_TRIG_MOSFET_BANK3: D12_MOSFET_BANK3.3 R57_MOSFET_BANK3.1 U8_MOSFET_BANK3.7 | length 11.4
  Top Layer w0.2: v1(3.75,36.575) 4.675,36.575 9.62,41.52 U8_MOSFET_BANK3.7@9.62,43.425 9.62,45.005 R57_MOSFET_BANK3.1@9.6,45.025
M2_V_SENSE_MOSFET_BANK1: D12_MOSFET_BANK1.2 R68_MOSFET_BANK1.1 R104_MOSFET_BANK1.1 | length 5.7
  Bottom Layer w0.2: R68_MOSFET_BANK1.1@49.3,32.425 49.375,32.425 49.625,32.675 49.625,32.707 50.143,33.225 50.975,33.225 51.9,34.15 R104_MOSFET_BANK1.1@51.9,34.22 51.9,34.295 50.558,35.637 50.313,35.637 v1(50.275,35.675)
M2_V_SENSE_MOSFET_BANK2: D12_MOSFET_BANK2.2 R68_MOSFET_BANK2.1 R104_MOSFET_BANK2.1 | length 5.7
  Bottom Layer w0.2: R68_MOSFET_BANK2.1@26.1,32.425 26.175,32.425 26.425,32.675 26.425,32.707 26.943,33.225 27.775,33.225 28.7,34.15 R104_MOSFET_BANK2.1@28.7,34.22 28.7,34.295 27.358,35.637 27.113,35.637 v1(27.075,35.675)
M2_V_SENSE_MOSFET_BANK3: D12_MOSFET_BANK3.2 R68_MOSFET_BANK3.1 R104_MOSFET_BANK3.1 | length 5.7
  Bottom Layer w0.2: R68_MOSFET_BANK3.1@2.775,32.425 2.85,32.425 3.1,32.675 3.1,32.707 3.618,33.225 4.45,33.225 5.375,34.15 R104_MOSFET_BANK3.1@5.375,34.22 5.375,34.295 4.033,35.637 3.788,35.637 v1(3.75,35.675)
M3_I_SENSE_MOSFET_BANK1: R79_MOSFET_BANK1.1 R82_MOSFET_BANK1.2 U9_MOSFET_BANK1.8 | length 3.3
  Bottom Layer w0.2: U9_MOSFET_BANK1.8@60.85,33.425 61.202,33.425 61.225,33.402 61.225,32.6 61.975,31.85 R79_MOSFET_BANK1.1@61.975,31.8 R82_MOSFET_BANK1.2@62.95,31.8
M3_I_SENSE_MOSFET_BANK2: R79_MOSFET_BANK2.1 R82_MOSFET_BANK2.2 U9_MOSFET_BANK2.8 | length 3.3
  Bottom Layer w0.2: U9_MOSFET_BANK2.8@37.65,33.425 38.002,33.425 38.025,33.402 38.025,32.6 38.775,31.85 R79_MOSFET_BANK2.1@38.775,31.8 R82_MOSFET_BANK2.2@39.75,31.8
M3_I_SENSE_MOSFET_BANK3: R79_MOSFET_BANK3.1 R82_MOSFET_BANK3.2 U9_MOSFET_BANK3.8 | length 3.3
  Bottom Layer w0.2: U9_MOSFET_BANK3.8@14.325,33.425 14.677,33.425 14.7,33.402 14.7,32.6 15.45,31.85 R79_MOSFET_BANK3.1@15.45,31.8 R82_MOSFET_BANK3.2@16.425,31.8
M3_OUT_MOSFET_BANK1: J3.6 R76_MOSFET_BANK1.2 R77_MOSFET_BANK1.2 R78_MOSFET_BANK1.2 | length 23.9
  Top Layer w2: J3.6@60.15,18.65 60.15,21.9 R76_MOSFET_BANK1.2@60.675,22.425
  Bottom Layer w0.2: J3.6@60.15,18.65 60.638,19.138 60.638,19.823 62.175,21.36 62.175,21.41 62.45,21.685 R77_MOSFET_BANK1.2@62.5,21.685 ; R77_MOSFET_BANK1.2@62.55,21.685 63.585,20.65 66.275,20.65 68.1,22.475 68.1,29.784 67.134,30.75 67.134,30.825 66.884,31.075 R78_MOSFET_BANK1.2@66.809,31.075
M3_OUT_MOSFET_BANK2: J2.6 R76_MOSFET_BANK2.2 R77_MOSFET_BANK2.2 R78_MOSFET_BANK2.2 | length 23.9
  Top Layer w2: J2.6@36.95,18.65 36.95,21.9 R76_MOSFET_BANK2.2@37.475,22.425
  Bottom Layer w0.2: J2.6@36.95,18.65 37.435,19.135 37.435,19.82 38.975,21.36 38.975,21.41 39.25,21.685 R77_MOSFET_BANK2.2@39.3,21.685 ; R77_MOSFET_BANK2.2@39.35,21.685 40.385,20.65 43.075,20.65 44.9,22.475 44.9,29.784 43.934,30.75 43.934,30.825 43.684,31.075 R78_MOSFET_BANK2.2@43.609,31.075
M3_OUT_MOSFET_BANK3: J1.6 R76_MOSFET_BANK3.2 R77_MOSFET_BANK3.2 R78_MOSFET_BANK3.2 | length 23.9
  Top Layer w2: J1.6@13.625,18.65 13.625,21.9 R76_MOSFET_BANK3.2@14.15,22.425
  Bottom Layer w0.2: J1.6@13.625,18.65 14.104,19.129 14.104,19.814 15.65,21.36 15.65,21.41 15.925,21.685 R77_MOSFET_BANK3.2@15.975,21.685 ; R77_MOSFET_BANK3.2@16.025,21.685 17.06,20.65 19.75,20.65 21.575,22.475 21.575,29.784 20.609,30.75 20.609,30.825 20.359,31.075 R78_MOSFET_BANK3.2@20.284,31.075
M3_PRE_SHUNT_MOSFET_BANK1: R76_MOSFET_BANK1.1 R80_MOSFET_BANK1.2 U8_MOSFET_BANK1.17 | length 10
  Top Layer w0.6: U8_MOSFET_BANK1.17@59.955,34.325 59.955,29.345 R76_MOSFET_BANK1.1@60.675,28.625 60.91,28.625 62.5,27.035 v1(62.5,25.525)
M3_PRE_SHUNT_MOSFET_BANK2: R76_MOSFET_BANK2.1 R80_MOSFET_BANK2.2 U8_MOSFET_BANK2.17 | length 10
  Top Layer w0.6: U8_MOSFET_BANK2.17@36.755,34.325 36.755,29.345 R76_MOSFET_BANK2.1@37.475,28.625 37.71,28.625 39.3,27.035 v1(39.3,25.525)
M3_PRE_SHUNT_MOSFET_BANK3: R76_MOSFET_BANK3.1 R80_MOSFET_BANK3.2 U8_MOSFET_BANK3.17 | length 10
  Top Layer w0.6: U8_MOSFET_BANK3.17@13.43,34.325 13.43,29.345 R76_MOSFET_BANK3.1@14.15,28.625 14.385,28.625 15.975,27.035 v1(15.975,25.525)